# Altium PCB CrypTech.PcbDoc (part 6 of 6) (continued)
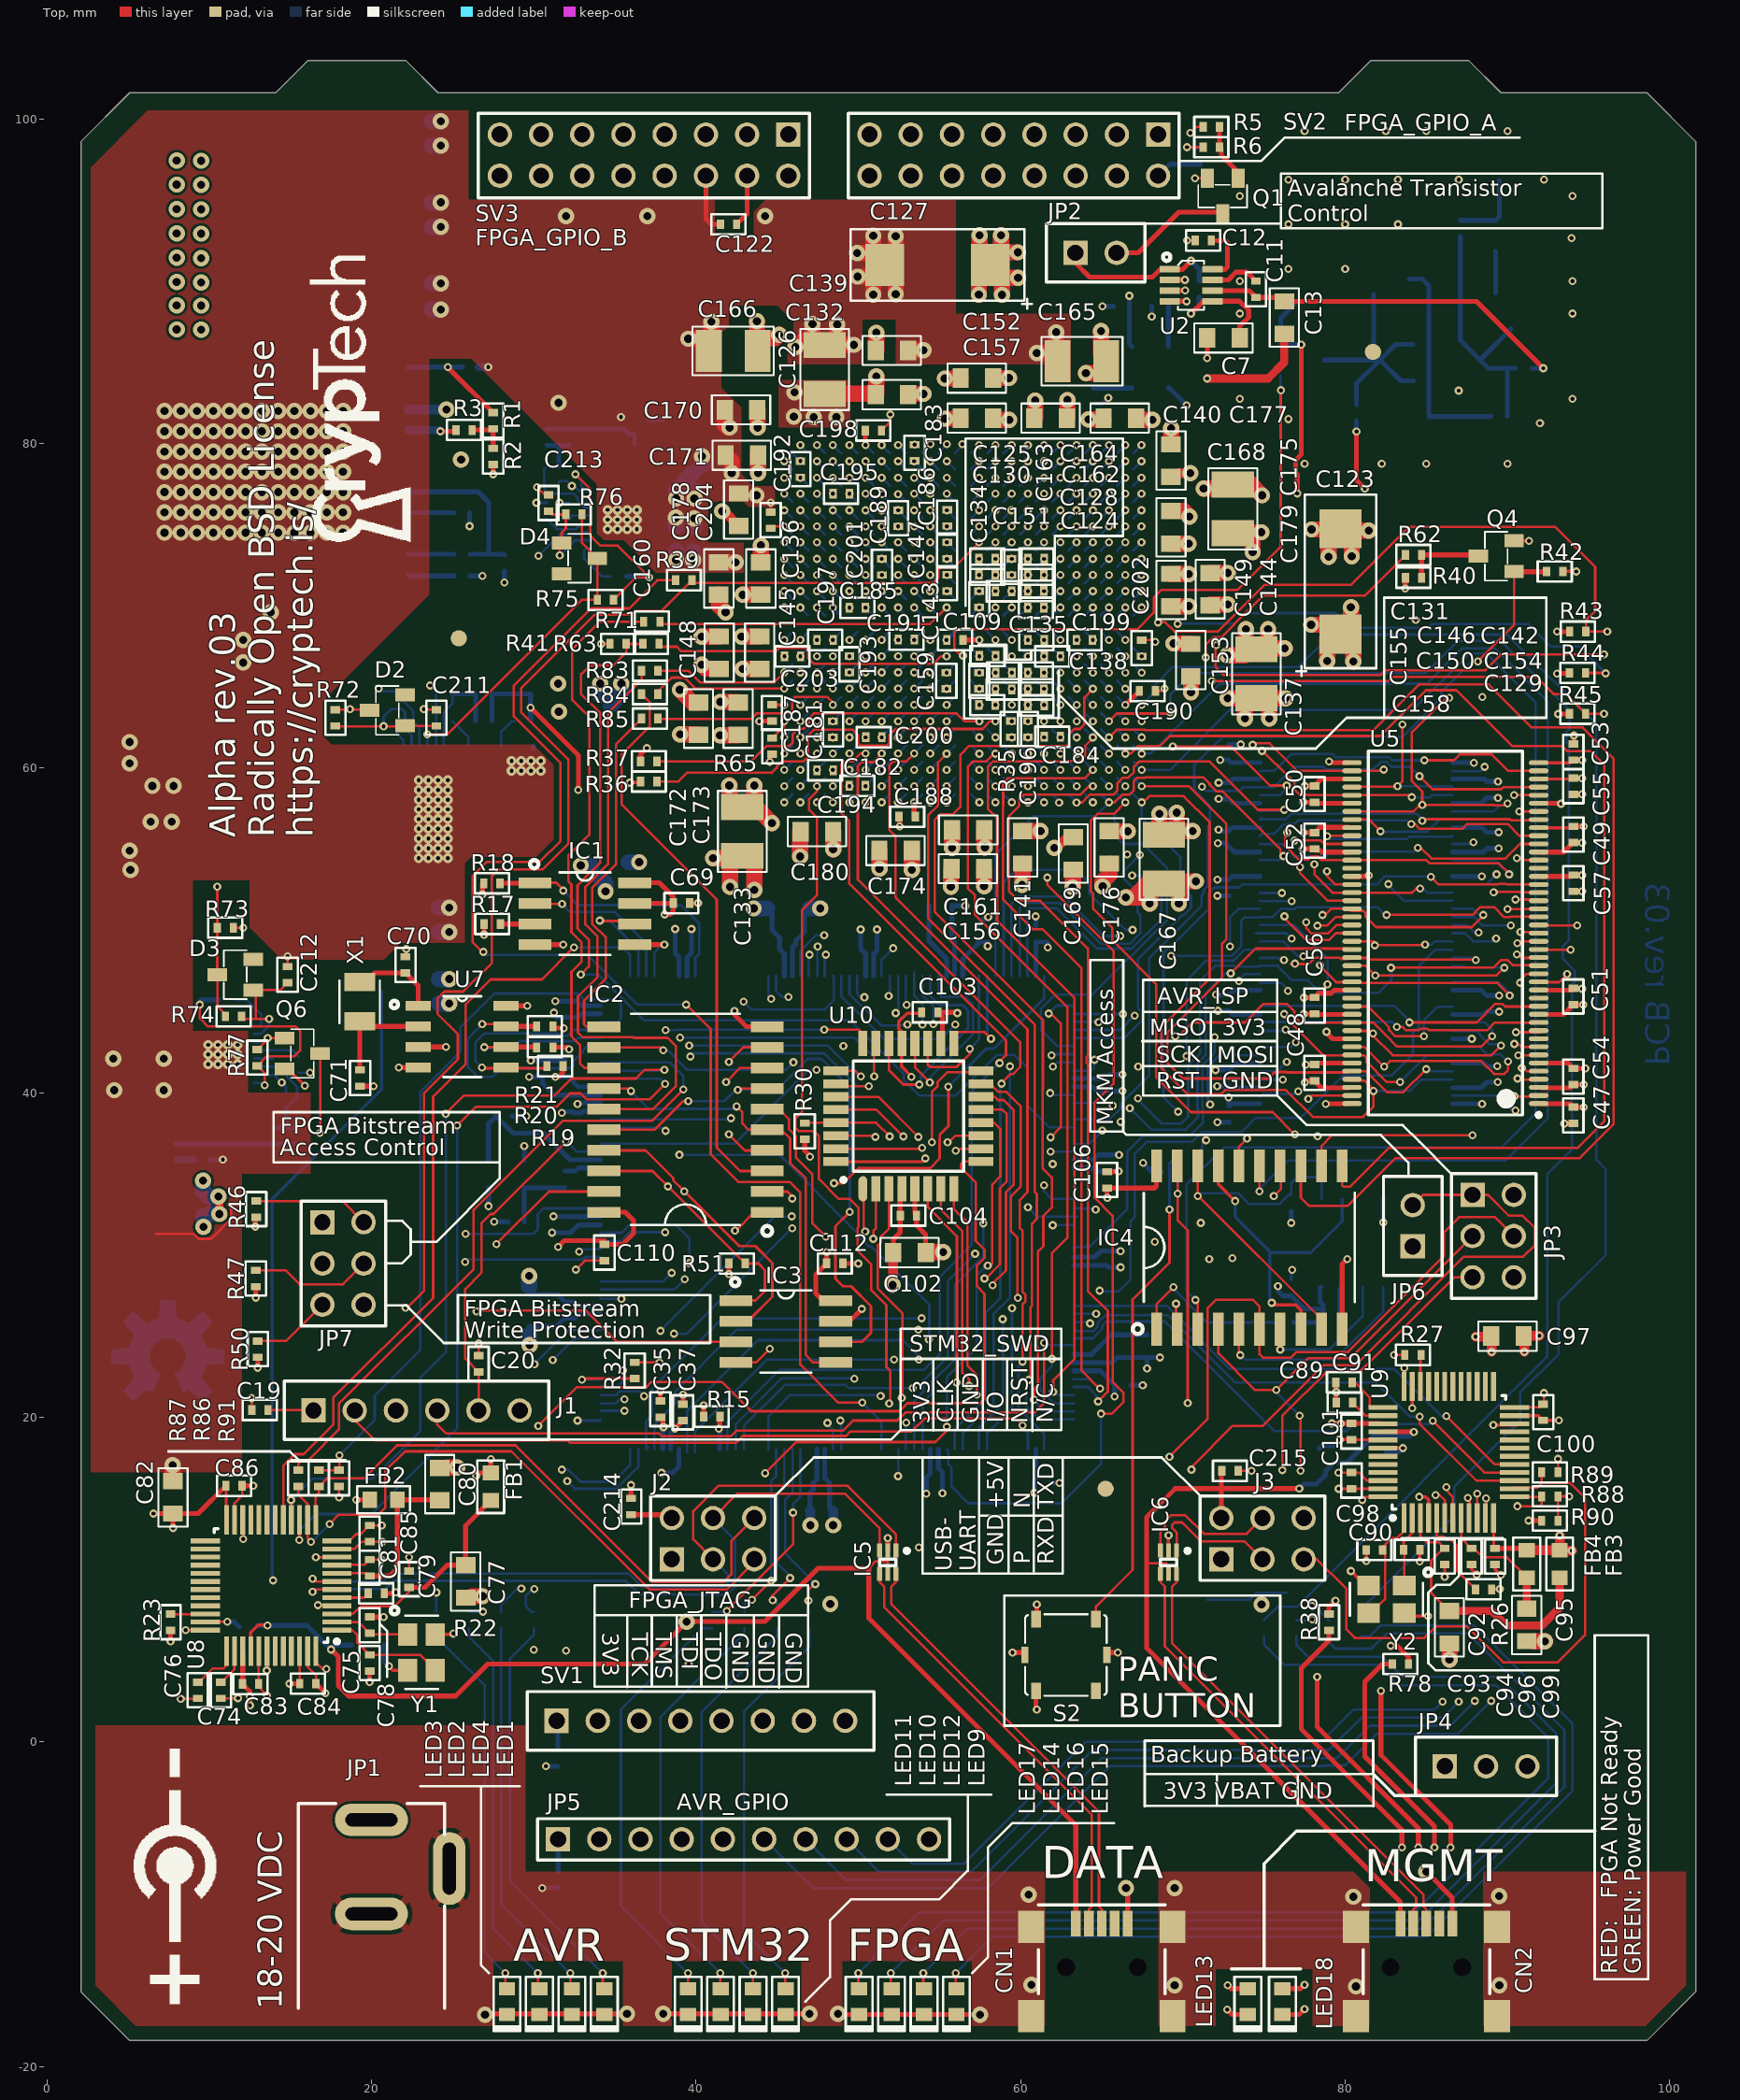
[diagram p0: Top view]
## Nets (pads, with @x,y where several pads share a name; then routed paths per layer and width w, separated by ;. In a path a pad name is that pad's centre, name@x,y a point inside that pad or via, vN(x,y) a via of type N, cw(c..) or ccw(c..) an arc to the next point about the centre after c; other vN are vias at no path point) (continued)
  other v1: 63.453,62.885 46.433,69.888 47.449,69.888 48.44,69.888 51.475,76.875 52.45,76.875

## Polygon pours and split planes (outlines as drawn)
NetC117_1 on Bottom "Bot Layer-GND" (solid, pour order 53): 41.5,80 41.5,85.5 36.5,85.5 36.25,85.25 36.25,81.986 37.485,81.986 37.485,80.861 37.485,80.75 36.075,80.75 36.075,79.65 37.05,79.65 37.05,79.499 37.05,77.425 37.975,77.425 37.975,79.075 38.3,79.4 38.9,80
PWR_18V on Bottom "Bot Layer-GND" (solid, pour order 35): 3,94.069 3,98 5.5,100.5 21,100.5 21,87.5 22.5,86 23,85.5 24,85.5 24,83 21,83 21,85 19.5,86.5 3,86.5
GND on Bottom "Bot Layer-GND" (solid, pour order 38): 4.8,85 19.5,85 19.5,73.5 16.75,73.5 14.75,71.5 14.75,65.75 11.75,65.75 8.75,62.75 8.75,53 2.7,53 2.7,83
NetC208_1 on Bottom "Bot Layer-GND" (solid, pour order 41): 41,58 41,55.5 32.5,55.5 32.5,54.85 31.15,54.85 31.15,59.125 33,59.125 33,62 36.5,62 36.5,58
FPGA_VCCAUX_1V8 on Bottom "Bot Layer-GND" (solid, pour order 42): 42.075,85.3 42.075,83.225 45.125,83.225 45.125,81 49.5,81 49.5,85.3
FPGA_VCCINT_1V0 on Bottom "Bot Layer-GND" (solid, pour order 44): 38.5,60.5 38.5,58.75 41,58.75 44,55.75 45.75,55.75 45.75,56.75 45.25,57.25 44.5,58 44.5,59.5 43.5,60.5
GND on Bottom "Bot Layer-GND" (solid, pour order 46): 34.1,76.3 37.05,76.3 37.05,76.675 38.25,76.675 38.25,79 39,79.75 41.25,79.75 41.25,76.75 40.75,76.75 40.75,75.25 40.75,75 41.3,75 41.3,72.198 38.1,72.198 38.1,73.9 37,73.9 37,74.2 34.1,74.2 34.1,76.15
GND on Bottom "Bot Layer-GND" (solid, pour order 48): 36.5,63 36.5,66 30.5,66 30.5,62 28.325,62 28.325,59.4 30.9,59.4 30.9,59.35 32.4,59.35 32.4,63
GND on Bottom "Bot Layer-GND" (solid, pour order 49): 4.8,44.4 8.3,44.4 8.3,43.725 9.3,43.725 9.3,43.4 12.275,43.4 12.275,41.3 9.3,41.3 9.3,40.975 8.3,40.975 8.3,39.2 8.2,39.2 3.2,39.2 3.2,42.8
NetC118_1 on Bottom "Bot Layer-GND" (solid, pour order 50): 9.25,40.225 8.566,40.225 8.566,38.948 3.2,38.948 3.2,32 7.5,32 7.5,35.4 8.697,35.4 8.697,36.322 9.05,36.675 10.225,36.675 10.225,38 9.25,38
VCC_5V0 on Bottom "Bot Layer-GND" (solid, pour order 40): 21,73.75 24.5,73.75 24.5,71.25 25,70.75 36.075,70.75 36.075,73.45 37.05,73.45 37.05,73.65 37.75,73.65 37.75,71.925 41.5,71.925 41.5,70.425 37.575,66.5 22.8,66.5 19.05,62.75 19.05,58.1 20.825,58.1 20.825,54.1 21.6,54.1 21.6,52.825 21.5,52.725 21.5,44.75 15,44.75 13,46.75 10.75,46.75 10.225,46.225 10.225,44.2 9.375,44.2 9.375,44 8.55,44 8.55,45.25 4.75,45.25 4.5,45.5 4.5,48.5 4.5,49.25 6.5,51.25 10.5,51.25 12,52.75 12,62.75 13.25,64 14,64 16,66 16,71 17.5,72.5 19.75,72.5
GND on Bottom "Bot Layer-GND" (solid, pour order 51): 22.625,44.75 22.625,52 21.85,52.775 21.85,54.15 22.5,54.15 22.5,59.625 25.125,59.625 25.125,52 25.5,51.625 25.5,44.75
GND on Bottom "Shield" (solid, pour order 43): 72.75,100 94.75,100 94.75,78 72.75,78 72.75,100
GND on Bottom "Bot Layer-GND" (solid, pour order 45): 22,100.5 26,100.5 26,95 56,95 56,88 63.5,88 63.5,85.5 62.5,84.5 60.5,84.5 59.5,85.5 57,85.5 56.5,85 56.5,81.5 55.75,80.75 53.25,80.75 52.5,81.5 52.5,87.5 52,88 50.5,88 50,87.5 49.75,87.25 49.5,87 49,86.5 47,86.5 46,87.5 45,88.5 42.5,88.5 42,88 42,87.25 40.5,85.75 36.25,85.75 36,85.5 36,82 36.25,81.75 36.25,81.25 33.25,81.25 33,81.5 30,81.5 30,79 28.75,77.75 21,77.75 21,80 25.25,80 26.927,81.341 26.927,86.5 24,86.5 23.5,86.5 22,88
GND on Top "GND_L01_P065" (solid, remove dead copper, pour order 65): 68.5,-17.5 68.5,-8 80.5,-8 81.5,-9 81.5,-17.5 78,-17.5 78,-14 72,-14 72,-17.5
GND on Top "GND_L01_P063" (solid, remove dead copper, pour order 63): 2.991,-15.009 5.483,-17.5 27.5,-17.5 27.5,-13.5 35.5,-13.5 35.5,-17.5 38.5,-17.5 38.5,-13.5 46.5,-13.5 46.5,-17.5 49,-17.5 49,-13.5 57,-13.5 57,-17.5 61.5,-17.5 61.5,-8 29.5,-8 29.5,1 2.991,1
GND on Top "GND_L01_P059" (solid, remove dead copper, pour order 59): 88.504,-8 88.504,-17.5 98.5,-17.5 101,-15 101,-8
FPGA_VCCAUX_1V8 on Top "Bot Layer-GND" (solid, pour order 47): 45.1,81 49.5,81 49.5,83.9 45.1,83.9 45.1,81
GND on Top "Top Layer-GND" (solid, pour order 39): 2.7,81.786 2.7,97 6.2,100.5 25.975,100.5 25.975,95 41.15,95 41.15,92.725 43.575,92.725 43.575,94.275 44.3,95 56,95 56,88 63.075,88 63.075,86.375 63.075,83.775 61.475,83.775 61.475,84.875 52.325,84.875 52.325,87.65 50.25,87.65 50.256,84.869 45.625,84.869 45.625,86.245 46,86.6 46,87.5 45,88.5 42.5,88.5 42,88 42,87.247 41.553,86.8 41.553,83.45 42.302,82.702 42.777,82.227 42.777,78.102 43.502,77.377 44.875,77.377 44.875,76.1 43.26,76.1 42.935,76.425 41.899,76.425 40.75,76.425 40.75,73.875 42.935,73.875 42.935,72.05 37.524,72.05 35.524,74.05 34.316,74.05 33.897,74.47 33.897,77.478 26.15,85.225 23.55,85.225 23.55,70.675 17,64.125 17,62 17.55,61.45 25.435,61.45 29.975,61.45 31.225,60.2 31.225,55.6 30.15,54.525 26.15,54.525 25.75,54.125 25.75,49.25 21.825,49.25 20.775,48.2 14.5,48.2 12.5,50.2 12.5,53.1 9,53.1 9,43.8 12.4,43.8 12.4,40 16.25,40 16.25,35 12,35 12,16.622 2.7,16.622
GND on Inner Layer 1 "Inner 1 - GND" (solid, remove dead copper, pour order 37): 11.5,101.005 98.005,101.005 101.006,98.006 101.006,81.533 101.006,-14.806 98.005,-17.805 5.999,-17.805 3,-14.806 3,-8 24,-8 24,-1.5 10,-1.5 6.5,2 6.5,7 6.5,10.05 6.5,84.633 11.5,84.633 11.5,99 5.5,99 5.5,101.005
PWR_18V on Inner Layer 1 "PWR_18V_L03_P054" (solid, remove dead copper, pour order 54): 22.5,-2.5 9.504,-2.5 5.511,1.493 5.511,85.5 10.498,85.5 10.498,98 3,98 3,-7 22.5,-7 23,-6.5 23,-3
PWR_18V on Inner Layer 2 "PWR_18V_L06_P055" (solid, remove dead copper, pour order 55): 22.5,-2.5 23,-3 23,-6.5 22.5,-7 3,-7 3,98 10.5,98 10.5,85.5 5.5,85.5 5.5,1.5 9.5,-2.5
GND on Inner Layer 2 "Inner 2 - GND" (solid, remove dead copper, pour order 36): 98,101 101,98 101,81.531 101,-14.8 98,-17.8 6,-17.8 3,-14.8 3,-8 24,-8 24,-1.5 10,-1.5 6.5,2 6.5,84.4 11.5,84.4 11.5,99 5.5,99 5.5,101
GND on Ground Plane 1 (split plane): 23.745,101.245 23.821,101.182 23.908,101.136 24.002,101.107 24.1,101.098 79.6,101.098 79.698,101.107 79.792,101.136 79.879,101.182 79.955,101.245 81.808,103.098 87.392,103.098 89.245,101.245 89.321,101.182 89.408,101.136 89.502,101.107 89.6,101.098 98.392,101.098 101.098,98.392 101.098,87.2 101.098,84.4 101.098,-15.192 98.392,-17.898 5.308,-17.898 2.602,-15.192 2.602,84.4 2.602,87.2 2.602,98.392 5.308,101.098 14.1,101.098 14.198,101.107 14.292,101.136 14.379,101.182 14.455,101.245 16.308,103.098 21.892,103.098
VCCO_3V3 on 3V3 Plane (split plane): 23.745,101.245 23.821,101.182 23.908,101.136 24.002,101.107 24.1,101.098 79.6,101.098 79.698,101.107 79.792,101.136 79.879,101.182 79.955,101.245 81.808,103.098 87.392,103.098 89.245,101.245 89.321,101.182 89.408,101.136 89.502,101.107 89.6,101.098 98.392,101.098 101.098,98.392 101.098,87.2 101.098,84.4 101.098,-15.192 98.392,-17.898 5.308,-17.898 2.602,-15.192 2.602,84.4 2.602,87.2 2.602,98.392 5.308,101.098 14.1,101.098 14.198,101.107 14.292,101.136 14.379,101.182 14.455,101.245 16.308,103.098 21.892,103.098
FPGA_VCCINT_1V0 on Power Plane (split plane): 61.473,89.5 61.473,85.2 61.482,85.151 61.51,85.11 75.785,70.835 75.813,70.816 75.826,70.807 75.875,70.798 81.723,70.798 81.723,66.678 67.272,52.227 45.553,52.227 38.352,59.428 38.352,69.022 41.013,71.683 44.853,71.683 44.902,71.692 44.943,71.72 46.028,72.804 46.055,72.846 46.065,72.895 46.065,77.265 49.387,77.265 52.818,73.835 52.818,70.945 52.818,65.88 52.827,65.831 52.855,65.79 54.556,64.089 54.597,64.061 54.646,64.051 57.95,64.051 57.999,64.061 58.04,64.089 58.068,64.13 58.077,64.179 58.077,65.402 58.068,65.451 58.04,65.493 57.999,65.52 57.95,65.53 57.329,65.53 56.927,65.931 56.927,69.571 57.428,70.071 58.95,70.071 58.999,70.081 59.04,70.109 59.068,70.15 59.077,70.199 59.077,71.505 59.068,71.553 59.04,71.595 58.999,71.622 58.95,71.632 57.528,71.632 56.302,72.858 56.302,74.65 56.293,74.699 56.265,74.74 54.915,76.09 53.227,77.778 53.227,87.572 54.674,89.019 56.389,90.733 56.416,90.775 56.426,90.824 56.426,93.773 61.473,93.773
FPGA_VCCAUX_1V8 on Power Plane (split plane): 52.973,77.725 52.982,77.676 53.01,77.635 54.735,75.91 56.048,74.597 56.048,72.805 56.057,72.756 56.085,72.715 57.385,71.414 57.427,71.387 57.475,71.377 58.823,71.377 58.823,70.326 57.375,70.326 57.326,70.316 57.285,70.289 56.71,69.714 56.682,69.673 56.673,69.624 56.673,65.879 56.682,65.83 56.71,65.789 57.186,65.312 57.227,65.285 57.276,65.275 57.823,65.275 57.823,64.306 54.699,64.306 53.072,65.933 53.072,70.945 53.072,73.887 53.063,73.936 53.035,73.977 49.53,77.482 49.489,77.51 49.44,77.52 45.937,77.52 45.889,77.51 45.847,77.482 45.82,77.441 45.81,77.392 45.81,72.947 44.8,71.937 41.17,71.937 41.168,71.949 41.14,71.99 41.138,71.991 41.138,81.633 44.143,84.638 47.305,84.638 47.353,84.647 47.395,84.675 50.167,87.448 52.973,87.448
GND on Power Plane (split plane): 95.873,24.677 93.772,24.677 93.772,26.3 93.762,26.349 93.735,26.39 93.693,26.418 93.645,26.427 78.75,26.427 78.701,26.418 78.66,26.39 78.632,26.349 78.623,26.3 78.623,6.452 44,6.452 43.952,6.443 43.952,6.5 43.952,9.022 45.59,10.66 45.618,10.701 45.627,10.75 45.627,17.373 67,17.373 67.049,17.382 67.09,17.41 67.118,17.451 67.127,17.5 67.127,19 67.127,27.717 92.5,27.717 92.549,27.726 92.59,27.754 92.618,27.795 92.627,27.844 92.627,28.373 95.873,28.373
FT_MGMT_VCC3V3 on Power Plane (split plane): 93.517,18.75 93.527,18.701 93.554,18.66 93.596,18.632 93.645,18.623 94.773,18.623 94.773,5.825 94.773,3.977 45.75,3.977 45.701,3.968 45.66,3.94 45.632,3.899 45.623,3.85 45.623,1.809 32.802,1.809 32.802,3.85 32.793,3.899 32.765,3.94 32.724,3.968 32.675,3.977 29.127,3.977 29.127,6.198 34.623,6.198 34.623,3.85 34.632,3.801 34.66,3.76 34.701,3.732 34.75,3.723 43.825,3.723 43.874,3.732 43.915,3.76 43.943,3.801 43.952,3.85 43.952,6.207 44,6.198 78.75,6.198 78.799,6.207 78.84,6.235 78.868,6.276 78.877,6.325 78.877,26.173 93.517,26.173
PWR_18V on Power Plane (split plane): 71.223,91.972 71.223,87.4 69.905,87.4 66.715,90.59 66.674,90.618 66.625,90.627 65.303,90.627 64.852,91.078 64.852,92.95 64.843,92.999 64.815,93.04 63.865,93.99 63.824,94.018 63.775,94.027 56.299,94.027 56.25,94.018 56.208,93.99 56.181,93.949 56.171,93.9 56.171,90.977 28.8,90.977 28.759,90.969 28.751,90.968 28.71,90.94 23.897,86.127 2.602,86.127 2.602,87.2 2.602,92.023 24.875,92.023 24.924,92.032 24.965,92.06 28.028,95.123 68.072,95.123
FT_VCC3V3 on Power Plane (split plane): 28.873,17.68 28.873,17.5 28.882,17.451 28.91,17.41 28.951,17.382 29,17.373 45.373,17.373 45.373,10.803 43.735,9.165 43.707,9.124 43.698,9.075 43.698,6.5 43.698,3.977 34.877,3.977 34.877,6.325 34.868,6.374 34.84,6.415 34.799,6.443 34.75,6.452 29,6.452 28.951,6.443 28.91,6.415 28.882,6.374 28.873,6.325 28.873,1.79 10.14,1.79 5.977,5.953 5.977,17.998 28.873,17.998
GND on Power Plane (split plane): 23.745,101.245 23.821,101.182 23.908,101.136 24.002,101.107 24.1,101.098 79.6,101.098 79.698,101.107 79.792,101.136 79.879,101.182 79.955,101.245 81.808,103.098 87.392,103.098 89.245,101.245 89.321,101.182 89.408,101.136 89.502,101.107 89.6,101.098 98.392,101.098 101.098,98.392 101.098,87.2 101.098,84.4 101.098,-15.192 98.392,-17.898 5.308,-17.898 2.602,-15.192 2.602,84.4 2.602,85.873 23.95,85.873 23.999,85.882 24.04,85.91 28.853,90.723 56.017,90.723 54.494,89.199 53.01,87.715 53.001,87.702 50.115,87.702 50.066,87.693 50.025,87.665 47.252,84.892 44.09,84.892 44.041,84.883 44,84.855 40.921,81.776 40.893,81.735 40.883,81.686 40.883,71.914 38.135,69.165 38.107,69.124 38.098,69.075 38.098,59.375 38.107,59.326 38.135,59.285 45.41,52.01 45.451,51.982 45.5,51.973 67.325,51.973 67.374,51.982 67.415,52.01 81.94,66.535 81.968,66.576 81.977,66.625 81.977,70.925 81.968,70.974 81.94,71.015 81.899,71.043 81.85,71.052 75.928,71.052 61.727,85.253 61.727,89.5 61.727,93.773 63.722,93.773 64.598,92.897 64.598,91.025 64.607,90.976 64.635,90.935 65.16,90.41 65.201,90.382 65.25,90.373 66.572,90.373 69.762,87.182 69.804,87.155 69.812,87.153 69.852,87.145 71.35,87.145 71.399,87.155 71.44,87.182 71.468,87.224 71.477,87.273 71.477,92.025 71.468,92.074 71.44,92.115 68.215,95.34 68.174,95.368 68.125,95.377 27.975,95.377 27.926,95.368 27.885,95.34 24.822,92.277 2.602,92.277 2.602,98.392 5.308,101.098 14.1,101.098 14.198,101.107 14.292,101.136 14.379,101.182 14.455,101.245 16.308,103.098 21.892,103.098
3V3_BATT on Power Plane (split plane): 97.373,32.722 97.373,-4.873 83.127,-4.873 83.127,3.723 94.9,3.723 94.949,3.732 94.99,3.76 95.018,3.801 95.027,3.85 95.027,5.825 95.027,18.75 95.018,18.799 94.99,18.84 94.949,18.868 94.9,18.877 93.772,18.877 93.772,24.423 95.95,24.423 95.999,24.432 96.04,24.46 96.09,24.51 96.118,24.551 96.127,24.6 96.127,28.5 96.118,28.549 96.09,28.59 96.049,28.618 96,28.627 92.5,28.627 92.451,28.618 92.41,28.59 92.382,28.549 92.373,28.5 92.373,27.972 67,27.972 66.951,27.962 66.91,27.934 66.882,27.893 66.873,27.844 66.873,19 66.873,17.627 29.127,17.627 29.127,17.68 29.127,18.125 29.118,18.174 29.09,18.215 29.049,18.243 29,18.252 22.927,18.252 22.927,46.246 83.848,46.246
GND on Ground Plane 2 (split plane): 23.745,101.245 23.821,101.182 23.908,101.136 24.002,101.107 24.1,101.098 79.6,101.098 79.698,101.107 79.792,101.136 79.879,101.182 79.955,101.245 81.808,103.098 87.392,103.098 89.245,101.245 89.321,101.182 89.408,101.136 89.502,101.107 89.6,101.098 98.392,101.098 101.098,98.392 101.098,87.2 101.098,84.4 101.098,-15.192 98.392,-17.898 5.308,-17.898 2.602,-15.192 2.602,84.4 2.602,87.2 2.602,98.392 5.308,101.098 14.1,101.098 14.198,101.107 14.292,101.136 14.379,101.182 14.455,101.245 16.308,103.098 21.892,103.098

## Other copper
Inner Layer 2:
  pour cut-out: 64.927,81.016 66.772,81.016 66.772,80.295 64.927,80.295
Bottom:
  region: 6.511,21.508 6.507,21.509 6.157,21.696 6.16,21.701 5.296,20.983 4.687,21.586 5.393,22.463 5.203,22.818 5.088,23.199 5.093,23.2 3.976,23.315 3.976,24.173 5.088,24.301 5.205,24.686 5.393,25.039 5.398,25.037 4.687,25.9 5.296,26.51 6.157,25.803 6.51,25.992 6.895,26.109 6.897,26.103 7.024,27.221 7.882,27.221 7.998,26.109 8.379,25.993 8.734,25.803 8.731,25.799 9.61,26.51 10.213,25.9 9.501,25.039 9.688,24.689 9.806,24.301 9.8,24.3 10.929,24.173 10.929,23.315 9.805,23.199 9.689,22.816 9.501,22.463 9.496,22.466 10.213,21.586 9.61,20.983 8.733,21.696 8.381,21.507 8.376,21.518 7.874,22.731 8.007,22.786 8.236,22.961 8.411,23.19 8.521,23.456 8.559,23.741 8.558,23.741 8.559,23.746 8.521,24.033 8.41,24.301 8.234,24.53 8.004,24.707 7.736,24.818 7.449,24.855 7.162,24.818 6.894,24.707 6.664,24.53 6.488,24.301 6.377,24.033 6.339,23.746 6.377,23.458 6.488,23.191 6.664,22.961 6.894,22.784 7.024,22.731
  text "PCB rev.03" at 98,41.629 h2.54 r270
Power Plane (plane layer: these items are gaps in the copper):
  lines w0.25: 22.8,18.25 22.8,46.374 83.901,46.374 97.5,32.775 97.5,-5 83.006,-5 ; 29,3.75 29.1,3.85 32.675,3.85 32.675,1.681 45.75,1.681 45.75,3.85 94.9,3.85 94.9,5.825 94.9,18.75 93.645,18.75 93.645,26.3 78.75,26.3 78.75,6.325 44,6.325 ; 41.05,71.9 38.225,69.075 38.225,59.375 45.5,52.1 67.325,52.1 81.85,66.625 81.85,70.925 75.875,70.925 61.6,85.2 61.6,89.5 61.6,93.9 56.299,93.9 56.299,90.824 54.584,89.109 53.1,87.625 53.1,77.725 54.825,76 56.175,74.65 56.175,72.805 57.475,71.505 57.951,71.505 58.95,71.505 58.95,70.199 57.375,70.199 56.8,69.624 56.8,65.879 57.276,65.402 57.95,65.402 57.95,64.179 54.646,64.179 52.945,65.88 52.945,70.945 52.945,73.887 49.44,77.392 45.937,77.392 45.937,72.895 44.853,71.81 41.011,71.81 41.011,81.686 44.09,84.765 47.305,84.765 50.115,87.575 51.525,87.575 53.1,87.575 ; 45.5,17.5 45.5,10.75 43.825,9.075 43.825,6.5 43.825,3.85 34.75,3.85 34.75,6.325 29,6.325 29,1.663 10.087,1.663 5.85,5.9 5.85,18.125 7.125,18.125 29,18.125 29,17.68 29,17.5 67,17.5 67,19 67,27.844 92.5,27.844 92.5,28.5 96,28.5 96,24.6 95.95,24.55 93.7,24.55 ; 56.299,90.85 28.8,90.85 23.95,86 2.1,86 2.1,92.123 2.127,92.15 24.875,92.15 27.975,95.25 33.5,95.25 68.125,95.25 71.35,92.025 71.35,87.273 69.852,87.273 66.625,90.5 65.25,90.5 64.725,91.025 64.725,92.95 63.775,93.9 61.525,93.9 ; 83,-4.994 83,3.85
  lines w0.254: 83,-4.994 83.006,-5

## Silkscreen, mask and mechanical layers (free items; w line width, h text height)
Top Overlay:
  drawing of 1177 lines, arcs and shapes, not listed
  text "FPGA_GPIO_A" at 79.95,99.275 h1
  text "Avalanche Transistor" at 76.45,95.25 h1
  text "Control" at 76.45,93.675 h1
  text "FPGA_GPIO_B" at 26.4,92.2 h1
  text "Alpha rev.03 / Radically Open BSD License / https://cryptech.is/" at 16.4,55.7 h1.6 r90
  text "AVR_ISP" at 68.4,45.475 h1
  text "MISO" at 67.95,43.525 h1
  text "3V3" at 72.425,43.525 h1
  text "SCK" at 68.35,41.875 h1
  text "MOSI" at 72.1,41.85 h1
  text "RST" at 68.35,40.25 h1
  text "GND" at 72.425,40.25 h1
  text "MKM Access" at 65.7,37.975 h1 r90
  text "FPGA Bitstream" at 14.375,37.475 h1
  text "Access Control" at 14.35,36.15 h1
  text "FPGA Bitstream" at 25.725,26.2 h1
  text "Write Protection" at 25.725,24.875 h1
  text "STM32_SWD" at 53.15,24.051 h1
  text "I/O" at 58.95,19.652 h1 r90
  text "CLK" at 55.85,19.627 h1 r90
  text "N/C" at 62,19.627 h1 r90
  text "GND" at 57.425,19.602 h1 r90
  text "NRST" at 60.425,19.602 h1 r90
  text "3V3" at 54.4,19.577 h1 r90
  text "N" at 60.575,14.375 h1 r90
  text "TXD" at 62.05,14.35 h1 r90
  text "+5V" at 58.95,14.325 h1 r90
  text "P" at 60.575,10.95 h1 r90
  text "RXD" at 62.05,10.925 h1 r90
  text "GND" at 58.95,10.9 h1 r90
  text "USB- / UART" at 57.25,10.525 h1 r90
  text "FPGA_JTAG" at 35.85,8.25 h1
  text "3V3" at 34.239,6.747 h1 r270
  text "TCK" at 36.048,6.747 h1 r270
  text "TMS" at 37.512,6.747 h1 r270
  text "TDI" at 39.125,6.747 h1 r270
  text "TDO" at 40.581,6.747 h1 r270
  text "GND" at 42.229,6.747 h1 r270
  text "GND" at 43.847,6.747 h1 r270
  text "GND" at 45.527,6.747 h1 r270
  text "PANIC / BUTTON" at 66,1.5 h1.5
  text "Backup Battery" at 68,-1.275 h1
  text "3V3 VBAT GND" at 68.8,-3.5 h1
  text "AVR_GPIO" at 38.825,-4.2 h1
  text "DATA" at 61.3,-8.4 h2
  text "MGMT" at 81.2,-8.6 h2
  text "AVR" at 28.75,-13.5 h2
  text "STM32" at 38,-13.5 h2
  text "FPGA" at 49.325,-13.5 h2
  text "RED:   FPGA Not Ready" at 96.775,-14.3 h1 r90
  text "GREEN: Power Good" at 98.2,-14.3 h1 r90
  text "18-20 VDC" at 14.5,-16.5 h1.5 r90
Bottom Overlay:
  text "NOISY DIODE" at 85.95,97.075 h1
  text "(Q2)" at 82.95,95.375 h1
Bottom Solder:
  region: 6.511,21.508 6.507,21.509 6.157,21.696 6.16,21.701 5.296,20.983 4.687,21.586 5.393,22.463 5.203,22.818 5.088,23.199 5.093,23.2 3.976,23.315 3.976,24.173 5.088,24.301 5.205,24.686 5.393,25.039 5.398,25.037 4.687,25.9 5.296,26.51 6.157,25.803 6.51,25.992 6.895,26.109 6.897,26.103 7.024,27.221 7.882,27.221 7.998,26.109 8.379,25.993 8.734,25.803 8.731,25.799 9.61,26.51 10.213,25.9 9.501,25.039 9.688,24.689 9.806,24.301 9.8,24.3 10.929,24.173 10.929,23.315 9.805,23.199 9.689,22.816 9.501,22.463 9.496,22.466 10.213,21.586 9.61,20.983 8.733,21.696 8.381,21.507 8.376,21.518 7.874,22.731 8.007,22.786 8.236,22.961 8.411,23.19 8.521,23.456 8.559,23.741 8.558,23.741 8.559,23.746 8.521,24.033 8.41,24.301 8.234,24.53 8.004,24.707 7.736,24.818 7.449,24.855 7.162,24.818 6.894,24.707 6.664,24.53 6.488,24.301 6.377,24.033 6.339,23.746 6.377,23.458 6.488,23.191 6.664,22.961 6.894,22.784 7.024,22.731
Mechanical 1:
  lines w0.2: 2.1,-15.4 5.1,-18.4 16.8,-18.4 24.8,-18.4 31,-18.4 43,-18.4 98.6,-18.4 101.6,-15.4 101.6,84.4 101.6,98.6 98.6,101.6 89.6,101.6 87.6,103.6 81.6,103.6 79.6,101.6 75.075,101.6 72.382,101.599 39.705,101.6 24.1,101.6 22.1,103.6 16.1,103.6 14.1,101.6 5.1,101.6 2.1,98.6 2.1,84.4 2.1,-15.4
Drill Drawing:
  circle w0.254: c8.696,-42.653 r0.847
  lines w0.254: 7.85,-45.617 9.543,-45.617 8.696,-47.31 7.85,-45.617 ; 7.85,-39.69 8.696,-39.267 9.543,-39.69 9.12,-38.843 9.543,-37.997 8.696,-38.42 7.85,-37.997 8.273,-38.843 7.85,-39.69 ; 7.85,-35.88 9.543,-35.88 9.543,-34.187 7.85,-34.187 7.85,-35.88 ; 7.85,-31.223 8.696,-32.07 9.543,-31.223 8.696,-30.377 7.85,-31.223
  lines w0.381: 6.331,-29.403 97.291,-29.403 ; 20.323,-48.453 20.323,-25.593 ; 38.657,-48.453 38.657,-25.593 ; 51.506,-48.453 51.506,-25.593 ; 70.145,-48.453 70.145,-25.593 ; 85.127,-48.453 85.127,-25.593 ; 6.331,-48.453 97.291,-48.453 97.291,-25.593 6.331,-25.593 6.331,-48.453
  text "Symbol" at 8.617,-28.26 h1.83
  text "Hole Size" at 21.466,-28.26 h1.83
  text "Plated" at 39.8,-28.26 h1.83
  text "Hole Type" at 52.649,-28.26 h1.83
  text "Plugged" at 71.288,-28.26 h1.83
  text "Count" at 86.27,-28.26 h1.83
  text "0,250mm" at 21.466,-32.07 h1.52
  text "PTH" at 39.8,-32.07 h1.52
  text "Round" at 52.649,-32.07 h1.52
  text "Yes" at 71.288,-32.07 h1.52
  text "1248" at 86.27,-32.07 h1.52
  text "0,500mm" at 21.466,-35.88 h1.52
  text "PTH" at 39.8,-35.88 h1.52
  text "Round" at 52.649,-35.88 h1.52
  text "Yes" at 71.288,-35.88 h1.52
  text "296" at 86.27,-35.88 h1.52
  text "0,800mm" at 21.466,-39.69 h1.52
  text "PTH" at 39.8,-39.69 h1.52
  text "Slot" at 52.649,-39.69 h1.52
  text "No" at 71.288,-39.69 h1.52
  text "3" at 86.27,-39.69 h1.52
  text "1,000mm" at 21.466,-43.5 h1.52
  text "PTH" at 39.8,-43.5 h1.52
  text "Round" at 52.649,-43.5 h1.52
  text "No" at 71.288,-43.5 h1.52
  text "87" at 86.27,-43.5 h1.52
  text "1,100mm" at 21.466,-47.31 h1.52
  text "NPTH" at 39.8,-47.31 h1.52
  text "Round" at 52.649,-47.31 h1.52
  text "No" at 71.288,-47.31 h1.52
  text "4" at 86.27,-47.31 h1.52
  text "Slot definitions :" at 8.617,-50.992 h1.52
  text "Routed Path Length" at 34.847,-50.992 h1.52
  text "= Calculated from tool start centre position to tool end centre position." at 62.855,-50.992 h1.52
  text "Hole Length" at 34.847,-53.532 h1.52
  text "= Routed Path Length + Tool Size = Slot length as defined in the PCB layout" at 52.444,-53.532 h1.52